# Altium PCB OctopusPB_r0101.PcbDoc (part 4 of 11)
Units mm, origin at the board's own origin, x right, y up, seen from the top; angles counter-clockwise.
Board outline 318 x 80 mm, 4 copper layers (Top Layer, Layer 1, Layer 2, Bottom Layer), stack 1.567 mm thick; 1067 components, 459 nets, 3580 pads, 4392 vias.
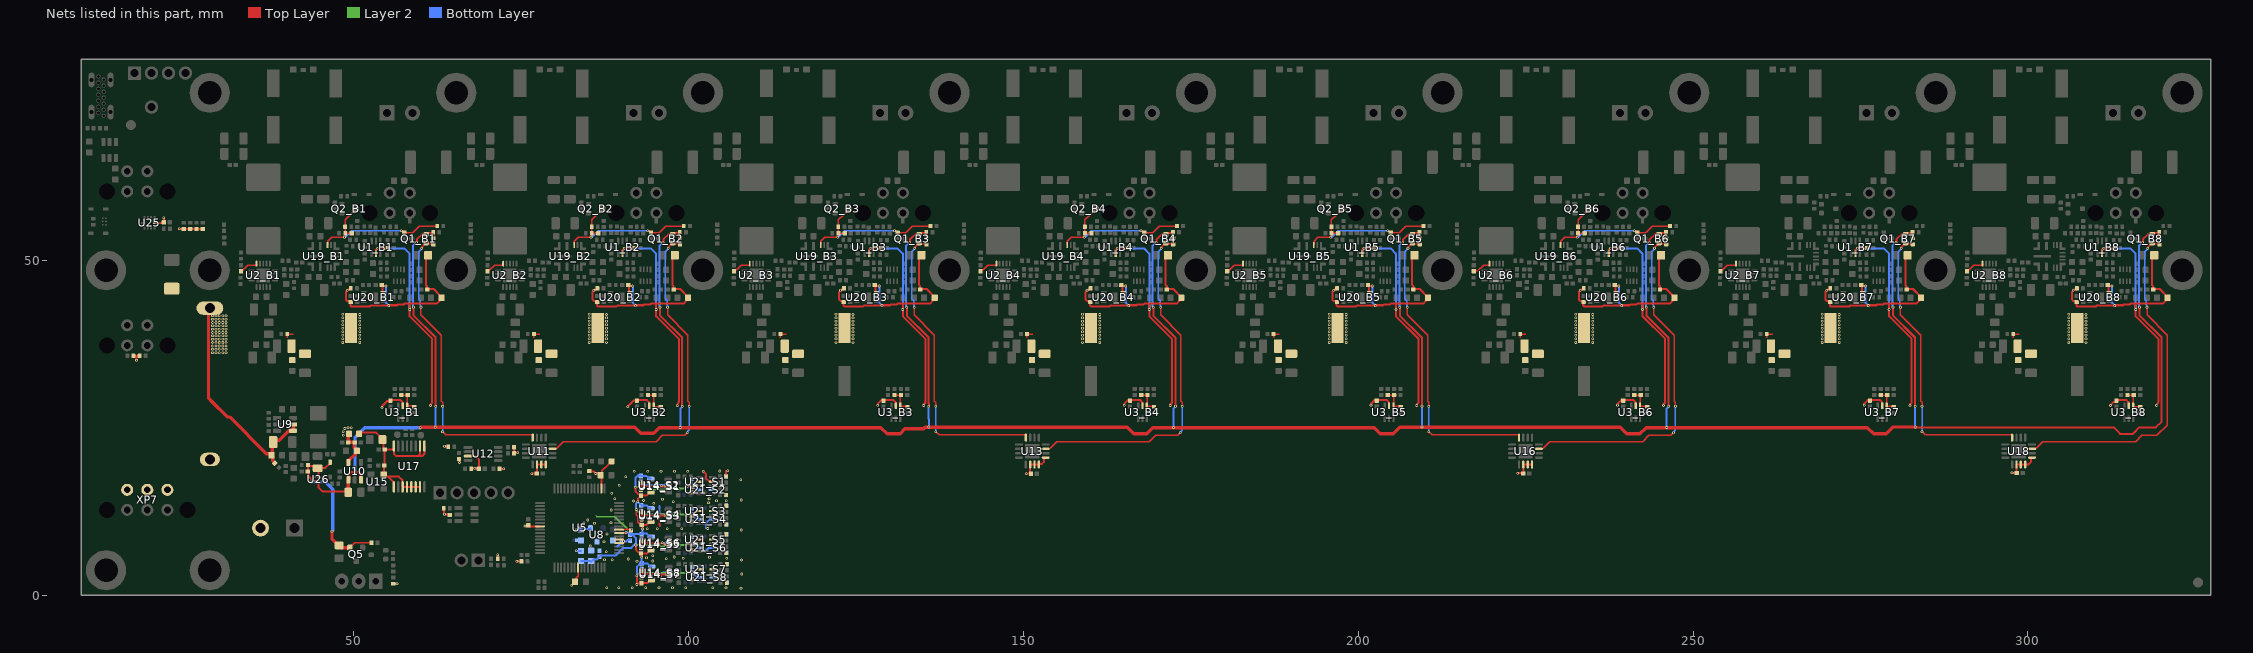
[diagram p6: the nets of this part, all layers, seen from the top]

## Via types
v1: diameter 0.4, hole 0.2, Top Layer to Bottom Layer, tented both sides, 4332 vias
v2: diameter 0.5, hole 0.2, Top Layer to Bottom Layer, tented both sides, 59 vias
v3: diameter 0.4, hole 0.2, Top Layer to Bottom Layer, 1 vias

## Nets (pads, with @x,y where several pads share a name; then routed paths per layer and width w, separated by ;. In a path a pad name is that pad's centre, name@x,y a point inside that pad or via, vN(x,y) a via of type N, cw(c..) or ccw(c..) an arc to the next point about the centre after c; other vN are vias at no path point) (continued)
3V3: C3_B1.1 C3_B2.1 C3_B3.1 C3_B4.1 C3_B5.1 C3_B6.1 C3_B7.1 C3_B8.1 C20_B1.1 C20_B2.1 C20_B3.1 C20_B4.1 C20_B5.1 C20_B6.1 C20_B7.1 C20_B8.1 C27_B1.1 C27_B2.1 C27_B3.1 C27_B4.1 C27_B5.1 C27_B6.1 C27_B7.1 C27_B8.1 C28_B1.1 C28_B2.1 C28_B3.1 C28_B4.1 C28_B5.1 C28_B6.1 C28_B7.1 C28_B8.1 C39.1 C40.1 C41.1 C42.1 C45.1 C50.1 C51.1 C57.1 C59.1 C60.1 C63.1 C64.1 C66.1 C74_B1.2 C74_B2.2 C74_B3.2 C74_B4.2 C74_B5.2 C74_B6.2 C74_B7.2 C74_B8.2 C83.1 D2.2 FB3.1 FB5.1 L3_B1.1 L3_B2.1 L3_B3.1 L3_B4.1 L3_B5.1 L3_B6.1 L3_B7.1 L3_B8.1 R8_B1.2 R8_B2.2 R8_B3.2 R8_B4.2 R8_B5.2 R8_B6.2 R8_B7.2 R8_B8.2 R27.2 R28.2 R29.1 R31.2 R32.2 R36.2 R42.1 R46.2 R47.2 R48.2 R49.2 R50.2 R51.2 R59_B1.2 R59_B2.2 R59_B3.2 R59_B4.2 R59_B5.2 R59_B6.2 R59_B7.2 R59_B8.2 R70.2 R106.2 R107.2 R108.2 R109.2 U1_B1.5 U1_B2.5 U1_B3.5 U1_B4.5 U1_B5.5 U1_B6.5 U1_B7.5 U1_B8.5 U3_B1.5 U3_B2.5 U3_B3.5 U3_B4.5 U3_B5.5 U3_B6.5 U3_B7.5 U3_B8.5 U5.8 U5.24 U5.34 U5.56 U8.1 U10.5 U11.14 U11.15 U11.16 U12.3 U13.1 U13.14 U13.15 U13.16 U16.14 U16.15 U16.16 U18.1 U18.14 U18.15 U18.16 U20_B1.8 U20_B2.8 U20_B3.8 U20_B4.8 U20_B5.8 U20_B6.8 U20_B7.8 U20_B8.8 U25.10 | length 597.8
  Top Layer w0.2: C41.1@82.925,2.2 82.936,2.2 83.211,2.475 83.211,2.564 83.474,2.827 83.474,2.877 83.491,2.894 U5.8@83.491,4.109 ; C41.1@83.15,2.1 C41.1@83.175,2.075 ; U5.24@89.616,9.759 89.635,9.778 90.372,9.778 90.402,9.809 90.435,9.841 91.294,9.841 91.38,9.755 C42.1@91.395,9.74 ; C42.1@91.41,9.6 C42.1@91.375,9.635 91.438,9.698 C42.1@91.49,9.75
  Top Layer w0.3: R28.2@17.08,35.725 17.538,35.725 ; v1(17.55,35.075) 17.538,35.087 17.538,35.725 ; R27.2@17.995,35.725 17.538,35.725 ; U25.10@20.51,55.575 21.515,55.575 21.625,55.685 21.625,56.3 v1(21.6,56.325) ; v1(23.9,54.7) 23.925,54.675 R106.2@24.6,54.675 R107.2@25.55,54.675 R108.2@26.5,54.675 R109.2@27.425,54.675 ; R8_B1.2@49.545,45.8 49.545,45.76 49.41,45.625 49.177,45.625 49.052,45.5 v1(49.025,45.5) 49.025,45.473 48.825,45.273 48.825,44.1 49.045,43.88 49.39,43.88 R59_B1.2@49.525,43.745 49.475,43.695 49.475,43.225 49.6,43.1 52.386,43.1 52.511,43.225 54.197,43.225 54.753,43.225 v1(55.225,43.225) 55.275,43.275 56.411,43.275 56.511,43.375 57.417,43.375 57.567,43.525 62.4,43.525 62.8,43.925 62.8,44.175 63.1,44.475 63.1,44.5 61.9,45.7 60.92,45.7 60.925,45.705 60.925,46.125 60.76,46.29 60.76,50.409 L3_B1.1@61.101,50.75 ; U1_B1.5@53.275,51.025 53.3,51.05 53.3,51.549 53.551,51.8 54.96,51.8 C3_B1.1@55.06,51.7 ; v1(54.2,28) 54.2,28.175 55,28.975 55.385,28.975 C20_B1.1@55.45,29.04 55.535,29.125 56.915,29.125 57.277,28.763 57.277,28.294 U3_B1.5@57.302,28.269 ; U20_B1.8@54.405,45.225 54.283,45.225 54.283,46.132 54.246,46.169 54.781,46.169 v1(54.8,46.15) ; R70.2@55.875,1.695 55.895,1.675 v1(56.45,1.675) ; 58.325,43.5 v1(58.325,42.65) 58.325,41.627 61.7,38.252 61.7,28.833 ; v1(61.45,28.3) 61.45,28.475 61.683,28.708 61.683,28.833 ; R32.2@63.42,12.95 63.475,12.895 63.475,12.2 63.525,12.15 v1(63.525,12.075) 63.544,12.056 64.224,12.056 R31.2@64.325,11.955 ; v1(63.525,22.225) 63.575,22.175 64.07,22.175 R50.2@64.095,22.15 ; R51.2@65.7,20.32 65.775,20.245 v1(65.775,19.8) ; U12.3@67.05,20.75 68.175,20.75 68.669,20.256 C63.1@68.669,18.859 68.572,18.956 68.541,18.925 v1(68.05,18.925) 68.031,18.906 67.586,18.906 R47.2@67.53,18.85 ; v1(71.475,6) 71.525,5.95 71.525,5.465 R42.1@71.485,5.425 ; R46.2@71.755,18.85 71.78,18.825 72.35,18.825 v1(72.4,18.875) ; R48.2@73.93,22.075 R49.2@73.93,21.15 74.03,21.25 v1(74.475,21.25) ; v1(74.35,5.025) R36.2@75.02,5.025 ; v1(75.55,10.3) 75.94,10.3 C39.1@76.05,10.41 76.201,10.259 U5.56@77.816,10.259 ; v1(76.575,18.125) 77.31,18.125 C57.1@77.335,18.15 77.342,18.158 77.342,19.493 U11.14@77.35,19.5 U11.15@78,19.5 U11.16@78.65,19.5 ; R29.1@85.375,18.475 85.8,18.475 v1(86.125,18.15) 86.144,18.131 86.619,18.131 C40.1@86.85,17.9 87.075,18.125 87.075,18.625 87.4,18.95 87.475,18.95 D2.2@88.5,19.975 ; R8_B2.2@86.37,45.8 86.37,45.76 86.235,45.625 86.002,45.625 85.877,45.5 v1(85.85,45.5) 85.85,45.473 85.65,45.273 85.65,44.1 85.87,43.88 86.215,43.88 R59_B2.2@86.35,43.745 86.3,43.695 86.3,43.225 86.425,43.1 89.211,43.1 89.336,43.225 91.022,43.225 91.578,43.225 v1(92.05,43.225) 92.1,43.275 93.236,43.275 93.336,43.375 94.242,43.375 94.392,43.525 99.225,43.525 99.625,43.925 99.625,44.175 99.925,44.475 99.925,44.5 98.725,45.7 97.745,45.7 97.75,45.705 97.75,46.125 97.585,46.29 97.585,50.409 L3_B2.1@97.926,50.75 ; U5.34@86.966,15.909 C40.1@86.966,17.684 ; U1_B2.5@90.1,51.025 90.125,51.05 90.125,51.549 90.376,51.8 91.785,51.8 C3_B2.1@91.885,51.7 ; v1(90.9,28.1) 90.9,28.15 91.8,29.05 92.265,29.05 C20_B2.1@92.275,29.04 92.354,29.119 93.746,29.119 94.102,28.763 94.102,28.294 U3_B2.5@94.127,28.269 U3_B2.5@94.102,28.244 ; U20_B2.8@91.23,45.225 91.108,45.225 91.108,46.132 91.071,46.169 91.606,46.169 v1(91.625,46.15) ; 95.15,43.5 v1(95.15,42.65) 95.15,41.627 98.525,38.252 98.525,28.833 ; v1(98.3,28.25) 98.3,28.5 98.508,28.708 98.508,28.833 ; R8_B3.2@123.195,45.8 123.195,45.76 123.06,45.625 122.827,45.625 122.702,45.5 v1(122.675,45.5) 122.675,45.473 122.475,45.273 122.475,44.1 122.695,43.88 123.04,43.88 R59_B3.2@123.175,43.745 123.125,43.695 123.125,43.225 123.25,43.1 126.036,43.1 126.161,43.225 127.847,43.225 128.403,43.225 v1(128.875,43.225) 128.925,43.275 130.061,43.275 130.161,43.375 131.067,43.375 131.217,43.525 136.05,43.525 136.45,43.925 136.45,44.175 136.75,44.475 136.75,44.5 135.55,45.7 134.57,45.7 134.575,45.705 134.575,46.125 134.41,46.29 134.41,50.409 L3_B3.1@134.751,50.75 ; U1_B3.5@126.925,51.025 126.95,51.05 126.95,51.549 127.201,51.8 128.61,51.8 C3_B3.1@128.71,51.7 ; U20_B3.8@128.055,45.225 127.933,45.225 127.933,46.132 127.896,46.169 128.431,46.169 v1(128.45,46.15) ; 128.25,28.575 128.775,29.1 ; C20_B3.1@129.185,29.125 130.575,29.125 130.927,28.773 U3_B3.5@130.927,28.294 ; 131.975,43.5 v1(131.975,42.65) 131.975,41.627 135.35,38.252 135.35,28.833 ; v1(135.1,28.3) 135.1,28.475 135.333,28.708 135.333,28.833 ; v1(150.4,18.125) C59.1@151.1,18.125 ; C59.1@151.125,18.1 C59.1@151.1,18.125 ; U13.1@153.325,20.525 153.098,20.525 153.075,20.502 153.075,19.9 152.75,19.575 152.323,19.575 152.3,19.552 U13.16@152.3,19.5 U13.15@151.65,19.5 151.019,19.5 151.01,19.49 151.01,18.215 C59.1@151.1,18.125 ; R8_B4.2@160.02,45.8 160.02,45.76 159.885,45.625 159.652,45.625 159.527,45.5 v1(159.5,45.5) 159.5,45.473 159.3,45.273 159.3,44.1 159.52,43.88 159.865,43.88 R59_B4.2@160,43.745 159.95,43.695 159.95,43.225 160.075,43.1 162.861,43.1 162.986,43.225 164.672,43.225 165.228,43.225 v1(165.7,43.225) 165.75,43.275 166.886,43.275 166.986,43.375 167.892,43.375 168.042,43.525 172.875,43.525 173.275,43.925 173.275,44.175 173.575,44.475 173.575,44.5 172.375,45.7 171.395,45.7 171.4,45.705 171.4,46.125 171.235,46.29 171.235,50.409 L3_B4.1@171.576,50.75 ; U1_B4.5@163.75,51.025 163.775,51.05 163.775,51.549 164.026,51.8 165.435,51.8 C3_B4.1@165.535,51.7 ; U20_B4.8@164.88,45.225 164.758,45.225 164.758,46.132 164.721,46.169 165.256,46.169 v1(165.275,46.15) ; 165.075,28.575 165.6,29.1 ; C20_B4.1@166.01,29.125 167.4,29.125 167.752,28.773 U3_B4.5@167.752,28.294 ; 168.8,43.5 v1(168.8,42.65) 168.8,41.627 172.175,38.252 172.175,28.833 ; v1(171.925,28.3) 171.925,28.475 172.158,28.708 172.158,28.833 ; R8_B5.2@196.845,45.8 196.845,45.76 196.71,45.625 196.477,45.625 196.352,45.5 v1(196.325,45.5) 196.325,45.473 196.125,45.273 196.125,44.1 196.345,43.88 196.69,43.88 R59_B5.2@196.825,43.745 196.775,43.695 196.775,43.225 196.9,43.1 199.686,43.1 199.811,43.225 201.497,43.225 202.053,43.225 v1(202.525,43.225) 202.575,43.275 203.711,43.275 203.811,43.375 204.717,43.375 204.867,43.525 209.7,43.525 210.1,43.925 210.1,44.175 210.4,44.475 210.4,44.5 209.2,45.7 208.22,45.7 208.225,45.705 208.225,46.125 208.06,46.29 208.06,50.409 L3_B5.1@208.401,50.75 ; U1_B5.5@200.575,51.025 200.6,51.05 200.6,51.549 200.851,51.8 202.26,51.8 C3_B5.1@202.36,51.7 ; U20_B5.8@201.705,45.225 201.583,45.225 201.583,46.132 201.546,46.169 202.081,46.169 v1(202.1,46.15) ; 201.9,28.575 202.425,29.1 ; C20_B5.1@202.835,29.125 204.225,29.125 204.577,28.773 U3_B5.5@204.577,28.294 ; 205.625,43.5 v1(205.625,42.65) 205.625,41.627 209,38.252 209,28.833 ; v1(208.75,28.3) 208.75,28.475 208.983,28.708 208.983,28.833 ; v1(223.825,18.175) 223.844,18.194 224.019,18.194 224.025,18.2 224.585,18.2 C64.1@224.635,18.15 224.642,18.157 224.642,19.493 U16.14@224.65,19.5 U16.15@225.3,19.5 U16.16@225.95,19.5 ; R8_B6.2@233.67,45.8 233.67,45.76 233.535,45.625 233.302,45.625 233.177,45.5 v1(233.15,45.5) 233.15,45.473 232.95,45.273 232.95,44.1 233.17,43.88 233.515,43.88 R59_B6.2@233.65,43.745 233.6,43.695 233.6,43.225 233.725,43.1 236.511,43.1 236.636,43.225 238.322,43.225 238.878,43.225 v1(239.35,43.225) 239.4,43.275 240.536,43.275 240.636,43.375 241.542,43.375 241.692,43.525 246.525,43.525 246.925,43.925 246.925,44.175 247.225,44.475 247.225,44.5 246.025,45.7 245.045,45.7 245.05,45.705 245.05,46.125 244.885,46.29 244.885,50.409 L3_B6.1@245.226,50.75 ; U1_B6.5@237.4,51.025 237.425,51.05 237.425,51.549 237.676,51.8 239.085,51.8 C3_B6.1@239.185,51.7 ; U20_B6.8@238.53,45.225 238.408,45.225 238.408,46.132 238.371,46.169 238.906,46.169 v1(238.925,46.15) ; 238.725,28.575 239.25,29.1 ; C20_B6.1@239.66,29.125 241.05,29.125 241.402,28.773 U3_B6.5@241.402,28.294 ; 242.45,43.5 v1(242.45,42.65) 242.45,41.627 245.825,38.252 245.825,28.833 ; v1(245.575,28.3) 245.575,28.475 245.808,28.708 245.808,28.833 ; R8_B7.2@270.495,45.8 270.495,45.76 270.36,45.625 270.127,45.625 270.002,45.5 v1(269.975,45.5) 269.975,45.473 269.775,45.273 269.775,44.1 269.995,43.88 270.34,43.88 R59_B7.2@270.475,43.745 270.425,43.695 270.425,43.225 270.55,43.1 273.336,43.1 273.461,43.225 275.147,43.225 275.703,43.225 v1(276.175,43.225) 276.225,43.275 277.361,43.275 277.461,43.375 278.367,43.375 278.517,43.525 283.35,43.525 283.75,43.925 283.75,44.175 284.05,44.475 284.05,44.5 282.85,45.7 281.87,45.7 281.875,45.705 281.875,46.125 281.71,46.29 281.71,50.409 L3_B7.1@282.051,50.75 ; U1_B7.5@274.225,51.025 274.25,51.05 274.25,51.549 274.501,51.8 275.91,51.8 C3_B7.1@276.01,51.7 ; U20_B7.8@275.355,45.225 275.233,45.225 275.233,46.132 275.196,46.169 275.731,46.169 v1(275.75,46.15) ; v1(275.55,28.35) 275.55,28.575 276.075,29.1 276.34,29.1 C20_B7.1@276.4,29.04 276.485,29.125 277.875,29.125 278.227,28.773 278.227,28.294 U3_B7.5@278.252,28.269 ; 279.275,43.5 v1(279.275,42.65) 279.275,41.627 282.65,38.252 282.65,28.833 ; v1(282.4,28.3) 282.4,28.475 282.633,28.708 282.633,28.833 ; v1(297.625,18.25) 298.31,18.25 C66.1@298.36,18.2 ; C66.1@298.31,18.25 298.31,19.49 U18.14@298.3,19.5 U18.15@298.95,19.5 U18.16@299.6,19.5 300.1,19.5 300.5,19.9 300.5,20.502 300.523,20.525 U18.1@300.625,20.525 ; R8_B8.2@307.32,45.8 307.32,45.76 307.185,45.625 306.952,45.625 306.827,45.5 v1(306.8,45.5) 306.8,45.473 306.6,45.273 306.6,44.1 306.82,43.88 307.165,43.88 R59_B8.2@307.3,43.745 307.25,43.695 307.25,43.225 307.375,43.1 310.161,43.1 310.286,43.225 311.972,43.225 312.528,43.225 v1(313,43.225) 313.05,43.275 314.186,43.275 314.286,43.375 315.192,43.375 315.342,43.525 320.175,43.525 320.575,43.925 320.575,44.175 320.875,44.475 320.875,44.5 319.675,45.7 318.695,45.7 318.7,45.705 318.7,46.125 318.535,46.29 318.535,50.409 L3_B8.1@318.876,50.75 ; U1_B8.5@311.05,51.025 311.075,51.05 311.075,51.549 311.326,51.8 312.735,51.8 C3_B8.1@312.835,51.7 ; U20_B8.8@312.18,45.225 312.058,45.225 312.058,46.132 312.021,46.169 312.556,46.169 v1(312.575,46.15) ; v1(312.35,28.3) 312.35,28.384 312.826,28.86 313.065,28.86 313.225,29.02 C20_B8.1@313.225,29.04 313.304,29.119 314.696,29.119 315.052,28.763 315.052,28.294 U3_B8.5@315.077,28.269 ; 316.1,43.5 v1(316.1,42.65) 316.1,41.627 319.475,38.252 319.475,28.833 ; v1(319.225,28.3) 319.225,28.475 319.458,28.708 319.458,28.833
  Top Layer w0.5: C51.1@49.14,22.8 C51.1@49.16,22.8 ; C51.1@49.145,22.835 49.145,23.943 FB5.1@49.277,24.075 ; U10.5@49.18,19.8 49.18,20.05 50.25,21.12 50.25,21.35 C50.1@50.437,21.537 ; C51.1@49.22,22.86 C51.1@49.16,22.8 ; C60.1@50.16,22.8 C60.1@50.14,22.8 ; C50.1@50.45,21.525 50.45,21.55 50.025,21.975 50.025,22.665 50.08,22.72 50.08,22.74 C60.1@50.14,22.8 ; C51.1@49.16,22.8 C60.1@50.14,22.8
  Layer 2 w0.2: 86.2,11.825 86.3,11.725 88.998,11.725 90.973,9.75
  Bottom Layer w0.3: v1(53.55,51.775) 57.525,51.775 58.325,50.975 58.325,49.106 58.327,49.104 58.327,48.648 58.325,48.646 v1(58.325,42.65) ; v1(54.8,46.15) 54.827,46.15 54.827,43.623 v1(55.225,43.225) ; v1(83.2,6.598) FB3.1@83.925,6.598 ; v1(83.2,9.75) C45.1@83.925,9.75 84.038,9.863 85.238,9.863 U8.1@85.35,9.975 ; v1(90.375,51.775) 94.35,51.775 95.15,50.975 95.15,49.106 95.152,49.104 95.152,48.648 95.15,48.646 v1(95.15,42.65) ; v1(91.625,46.15) 91.652,46.15 91.652,43.623 v1(92.05,43.225) ; v1(127.2,51.775) 131.175,51.775 131.975,50.975 131.975,49.106 131.977,49.104 131.977,48.648 131.975,48.646 v1(131.975,42.65) ; v1(128.45,46.15) 128.477,46.15 128.477,43.623 v1(128.875,43.225) ; v1(164.025,51.775) 168,51.775 168.8,50.975 168.8,49.106 168.802,49.104 168.802,48.648 168.8,48.646 v1(168.8,42.65) ; v1(165.275,46.15) 165.302,46.15 165.302,43.623 v1(165.7,43.225) ; v1(200.85,51.775) 204.825,51.775 205.625,50.975 205.625,49.106 205.627,49.104 205.627,48.648 205.625,48.646 v1(205.625,42.65) ; v1(202.1,46.15) 202.127,46.15 202.127,43.623 v1(202.525,43.225) ; v1(237.675,51.775) 241.65,51.775 242.45,50.975 242.45,49.106 242.452,49.104 242.452,48.648 242.45,48.646 v1(242.45,42.65) ; v1(238.925,46.15) 238.952,46.15 238.952,43.623 v1(239.35,43.225) ; v1(274.5,51.775) 278.475,51.775 279.275,50.975 279.275,49.106 279.277,49.104 279.277,48.648 279.275,48.646 v1(279.275,42.65) ; v1(275.75,46.15) 275.777,46.15 275.777,43.623 v1(276.175,43.225) ; v1(311.325,51.775) 315.3,51.775 316.1,50.975 316.1,49.106 316.102,49.104 316.102,48.648 316.1,48.646 v1(316.1,42.65) ; v1(312.575,46.15) 312.602,46.15 312.602,43.623 v1(313,43.225)
  other v1: 82.55,1.475 91.475,9.75 48.425,23.875 48.425,24.375 48.625,24.875 49.125,24.975 49.625,24.975 128.25,28.35 165.075,28.35 201.9,28.35 238.725,28.35
3V3_CLK: C61.1 C62.1 C65.1 FB5.2 U15.4 U17.1 U17.3 U17.4 U17.5 U17.6 U17.7 U17.9 U17.10 U17.16 | length 28.8
  Top Layer w0.3: FB5.2@50.773,24.075 50.998,24.3 53.275,24.3 54.275,23.3 C61.1@54.275,23.2 54.432,23.042 54.432,21.883 C65.1@54.59,21.725 ; U17.1@55.975,16.15 55.975,16.825 55.125,17.675 ; U17.7@59.875,16.15 U17.6@59.225,16.15 U17.5@58.575,16.15 U17.4@57.925,16.15 U17.3@57.275,16.15 57.265,16.16 57.265,17.135 56.725,17.675 55.125,17.675 ; U17.10@59.875,22.25 59.865,22.24 59.865,21.041 59.574,20.75 ; U17.9@60.525,22.25 60.535,22.24 60.535,21.14 60.55,21.125 60.175,20.75 59.574,20.75 ; C65.1@54.59,21.725 54.552,21.688 54.552,19.387 C62.1@54.515,19.35 54.515,18.04 U15.4@54.45,17.975 54.75,17.675 55.125,17.675 ; C65.1@54.59,21.725 55.952,21.725 55.975,21.748 U17.16@55.975,22.25 55.985,22.24 55.985,21.09 56.325,20.75 59.574,20.75
3V3A: C1.1 C24_S1.2 C24_S2.2 C24_S3.2 C24_S4.2 C24_S5.2 C24_S6.2 C24_S7.2 C24_S8.2 C43.1 C44.1 C79_S1.1 C79_S2.1 C79_S3.1 C79_S4.1 C79_S5.1 C79_S6.1 C79_S7.1 C79_S8.1 FB3.2 U5.23 U14_S1.5 U14_S2.5 U14_S3.5 U14_S4.5 U14_S5.5 U14_S6.5 U14_S7.5 U14_S8.5 U21_S1.5 U21_S2.5 U21_S3.5 U21_S4.5 U21_S5.5 U21_S6.5 U21_S7.5 U21_S8.5 | length 95.9
  Top Layer w0.2: v1(92.165,12.773) 92.165,11.961 92.39,11.736 92.39,10.872 92.572,10.69 92.79,10.69 C24_S3.2@92.95,10.53 ; v1(99.775,16.25) 99.825,16.2 C79_S1.1@100.45,16.2 100.45,16.22 100.99,16.76 101.113,16.76 101.288,16.935 U21_S1.5@101.613,16.935 ; v1(99.8,11.95) 99.838,11.912 100.343,11.912 C79_S3.1@100.45,11.805 100.45,11.825 100.99,12.365 101.113,12.365 101.288,12.54 U21_S3.5@101.613,12.54 ; v1(99.9,7.7) 99.938,7.662 100.368,7.662 100.5,7.53 100.5,7.793 100.697,7.99 100.897,7.99 101.097,8.19 101.588,8.19 U21_S5.5@101.662,8.265 ; v1(99.975,3.325) 100.013,3.287 100.358,3.287 100.53,3.115 100.53,3.135 101.07,3.675 101.193,3.675 101.367,3.85 U21_S7.5@101.692,3.85
  Top Layer w0.25: U5.23@89.616,9.259 89.626,9.269 90.529,9.269 90.601,9.341 v1(90.642,9.341)
  Top Layer w0.3: v1(92.025,16.1) 92.025,15.511 92.501,15.035 92.74,15.035 92.9,14.875 C24_S1.2@92.9,14.855 ; v1(92.1,7.475) 92.1,6.781 92.496,6.385 92.735,6.385 92.895,6.225 C24_S5.2@92.895,6.205 ; v1(92.259,2.891) 92.259,1.676 92.279,1.695 92.905,1.695 92.98,1.77 93.775,1.77 94.205,2.2 U14_S7.5@94.455,2.2 ; v1(92.391,13.924) 92.411,13.943 92.411,14.346 92.9,14.835 C24_S1.2@92.9,14.855 ; v1(92.981,5.654) 92.981,6.154 92.95,6.185 93.745,6.185 94.175,6.615 U14_S5.5@94.425,6.615 ; C24_S3.2@93,10.46 C24_S3.2@93.1,10.46 ; v1(93.1,9.85) C24_S3.2@93.1,10.46 ; U14_S3.5@94.375,10.89 94.125,10.89 93.695,10.46 C24_S3.2@93.1,10.46 ; U14_S1.5@94.375,15.285 94.125,15.285 93.695,14.855 C24_S1.2@92.9,14.855
  Layer 2 w0.3: v1(92.025,16.1) 93.839,16.1 94.164,15.775 97.448,15.775 97.598,15.925 99.45,15.925 v1(99.775,16.25) ; v1(92.1,7.475) 95.622,7.475 95.847,7.25 96.303,7.25 96.528,7.475 99.648,7.475 99.873,7.7 v1(99.9,7.7) ; v1(92.165,12.773) 92.165,12.746 92.592,12.319 92.592,12.313 92.805,12.101 93.757,12.101 93.833,12.025 99.725,12.025 v1(99.8,11.95) ; v1(92.259,2.891) 92.694,3.325 v1(99.975,3.325)
  Bottom Layer w0.2: v1(99.775,16.25) 99.813,16.288 100.248,16.288 100.398,16.438 100.938,15.898 101.06,15.898 101.235,15.723 U21_S2.5@101.56,15.723 ; v1(99.8,11.95) 100.38,11.95 C79_S4.1@100.47,12.04 ; v1(99.9,7.7) 100.395,7.7 C79_S6.1@100.5,7.805 ; v1(99.975,3.325) 100.505,3.325 C79_S8.1@100.545,3.365 ; C79_S4.1@100.475,12.045 C79_S4.1@100.47,12.04 ; C79_S6.1@100.5,7.81 C79_S6.1@100.5,7.805 ; C79_S6.1@100.505,7.81 C79_S6.1@100.5,7.805 ; C79_S8.1@100.55,3.37 C79_S8.1@100.545,3.365 ; U21_S4.5@101.632,11.31 101.308,11.31 101.133,11.485 101.01,11.485 100.47,12.025 C79_S4.1@100.47,12.04 ; U21_S6.5@101.662,7.075 101.337,7.075 101.162,7.25 101.04,7.25 100.5,7.79 C79_S6.1@100.5,7.805 ; U21_S8.5@101.707,2.635 101.382,2.635 101.207,2.81 101.085,2.81 100.545,3.35 C79_S8.1@100.545,3.365
  Bottom Layer w0.3: FB3.2@83.925,5.102 83.976,5.051 85.374,5.051 85.425,5 85.725,5.3 86.275,5.3 86.7,5.725 C1.1@86.7,5.745 86.855,5.9 89.104,5.9 90.254,7.05 91.455,7.05 92.1,7.695 92.1,8.484 91.624,8.96 91.375,8.96 C44.1@91.188,9.148 ; v1(90.642,9.341) 90.661,9.322 90.803,9.322 90.805,9.32 91.065,9.32 C44.1@91.115,9.27 ; C44.1@91.185,9.15 C44.1@91.188,9.148 ; v1(92.025,16.1) 92.025,17.475 92.375,17.825 92.83,17.825 C24_S2.2@92.853,17.803 93.643,17.803 94.073,17.373 U14_S2.5@94.323,17.373 ; v1(92.165,12.773) 92.165,13.671 92.391,13.897 v1(92.391,13.924) ; v1(92.259,2.891) 92.259,4.193 92.601,4.535 92.84,4.535 93,4.695 C24_S8.2@93,4.715 ; v1(92.391,13.924) 92.745,13.57 92.765,13.57 92.925,13.41 C24_S4.2@92.925,13.39 93.715,13.39 94.145,12.96 U14_S4.5@94.395,12.96 ; v1(92.981,5.654) 92.981,4.734 C24_S8.2@93,4.715 ; v1(93.1,9.85) 93.1,9.3 C24_S6.2@92.955,9.155 ; U14_S6.5@94.425,8.725 94.175,8.725 93.745,9.155 C24_S6.2@92.955,9.155 ; U14_S8.5@94.47,4.285 94.22,4.285 93.79,4.715 C24_S8.2@93,4.715 ; C44.1@91.188,9.148 92.948,9.148 C24_S6.2@92.955,9.155
  other v1: 92.259,1.576
5V: C53.1 Q1_B1.2 Q1_B2.2 Q1_B3.2 Q1_B4.2 Q1_B5.2 Q1_B6.2 Q1_B7.2 Q1_B8.2 R4_B1.2 R4_B2.2 R4_B3.2 R4_B4.2 R4_B5.2 R4_B6.2 R4_B7.2 R4_B8.2 R19_B1.2 R19_B2.2 R19_B3.2 R19_B4.2 R19_B5.2 R19_B6.2 R19_B7.2 R19_B8.2 U10.1 U10.3 U26.B2 | length 554.7
  Top Layer w0.3: U26.B2@44.7,17.05 44.7,16.085 45.36,15.425 49.105,15.425 C53.1@49.165,15.365 ; v1@58.925,42.903 58.925,41.734 62.2,38.459 62.2,28.607 62.206,28.601 62.206,28.194 v1(62.225,28.175) ; v1(59.35,52.625) 59.35,52.708 59.4,52.758 59.4,53.1 60.2,53.9 60.725,53.9 60.862,54.038 61.71,54.038 61.845,54.173 R19_B1.2@61.845,54.2 61.86,54.185 61.86,53.295 R4_B1.2@61.875,53.28 ; v1@95.75,42.903 95.75,41.734 99.025,38.459 99.025,28.607 99.031,28.601 99.031,28.194 v1(99.05,28.175) ; v1(96.175,52.625) 96.175,52.708 96.225,52.758 96.225,53.1 97.025,53.9 Q1_B2.2@97.55,53.9 ; Q1_B2.2@97.625,53.875 97.787,54.038 98.535,54.038 98.67,54.173 R19_B2.2@98.67,54.2 98.685,54.185 98.685,53.295 R4_B2.2@98.7,53.28 ; v1@132.575,42.903 132.575,41.734 135.85,38.459 135.85,28.607 135.856,28.601 135.856,28.194 v1(135.875,28.175) ; v1(133,52.625) 133,52.708 133.05,52.758 133.05,53.1 133.85,53.9 Q1_B3.2@134.375,53.9 ; Q1_B3.2@134.612,54.038 R19_B3.2@135.36,54.038 ; R4_B3.2@135.51,53.295 R19_B3.2@135.51,54.185 ; v1@169.4,42.903 169.4,41.734 172.675,38.459 172.675,28.607 172.681,28.601 172.681,28.194 v1(172.7,28.175) ; v1(169.825,52.625) 169.825,52.708 169.875,52.758 169.875,53.1 170.675,53.9 Q1_B4.2@171.2,53.9 ; Q1_B4.2@171.438,54.038 R19_B4.2@172.185,54.038 ; R4_B4.2@172.335,53.295 R19_B4.2@172.335,54.185 ; v1@206.225,42.903 206.225,41.734 209.5,38.459 209.5,28.607 209.506,28.601 209.506,28.194 v1(209.525,28.175) ; v1(206.65,52.625) 206.65,52.708 206.7,52.758 206.7,53.1 207.5,53.9 Q1_B5.2@208.025,53.9 ; Q1_B5.2@208.263,54.038 R19_B5.2@209.01,54.038 ; R4_B5.2@209.16,53.295 R19_B5.2@209.16,54.185 ; v1@243.05,42.903 243.05,41.734 246.325,38.459 246.325,28.607 246.331,28.601 246.331,28.194 v1(246.35,28.175) ; v1(243.475,52.625) 243.475,52.708 243.525,52.758 243.525,53.1 244.325,53.9 Q1_B6.2@244.85,53.9 ; Q1_B6.2@245.088,54.038 R19_B6.2@245.835,54.038 ; R4_B6.2@245.985,53.295 R19_B6.2@245.985,54.185 ; v1@279.875,42.903 279.875,41.734 283.15,38.459 283.15,28.607 283.156,28.601 283.156,28.194 v1(283.175,28.175) ; v1(280.3,52.625) 280.3,52.708 280.35,52.758 280.35,53.1 281.15,53.9 Q1_B7.2@281.675,53.9 ; Q1_B7.2@281.913,54.038 R19_B7.2@282.66,54.038 ; R4_B7.2@282.81,53.295 R19_B7.2@282.81,54.185 ; v1@283.25,25.025 312.821,25.025 313.781,24.065 315.7,24.065 316.66,25.025 319.125,25.025 319.975,25.875 319.975,38.459 316.7,41.734 v1@316.7,42.903 ; v1(317.125,52.625) 317.125,52.708 317.175,52.758 317.175,53.1 317.975,53.9 Q1_B8.2@318.5,53.9 ; Q1_B8.2@318.738,54.038 R19_B8.2@319.485,54.038 ; R4_B8.2@319.635,53.295 R19_B8.2@319.635,54.185